# Altium PCB Powerbank.PcbDoc (part 1 of 2) (continued)
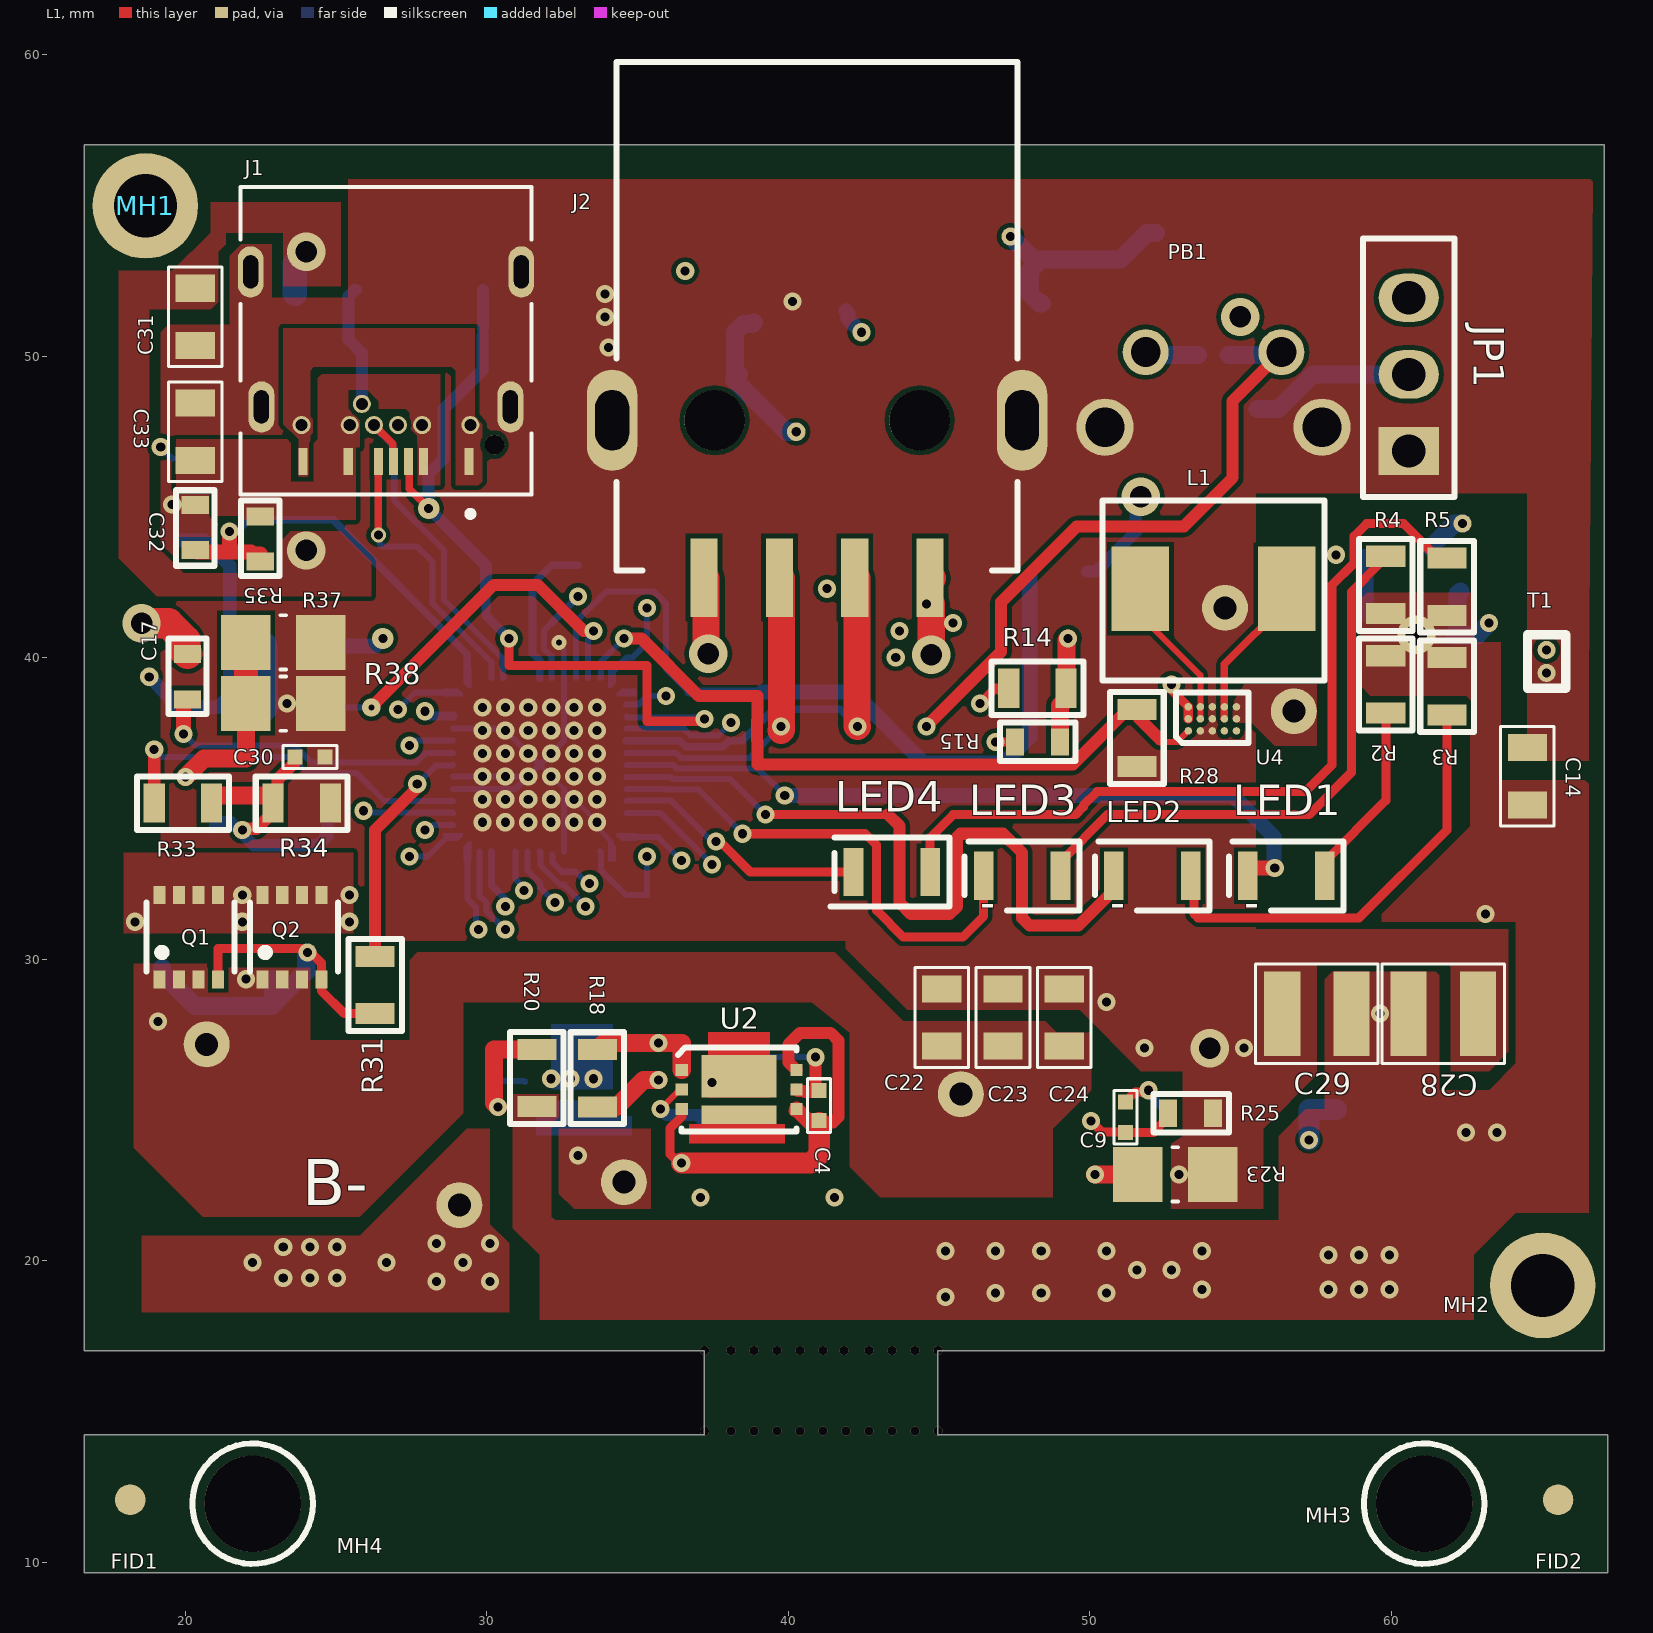
[diagram p0: L1 view]
## Part data (continued)
D1: library part "3pins schottkey common cathode", "Diode Schottky 30V 0.2A 3-Pin SOT-23 T/R", Average Rectified Current=200mA, Case/Package=SOT-23-3, Manufacturer 1="ON Semiconductor", Manufacturer Part Number 1=SBAT54CLT1G, Max Forward Surge Current (Ifsm)=600mA, Max Operating Temperature=125°C, Max Power Dissipation=225mW, Max Repetitive Reverse Voltage (Vrrm)=30V, Max Reverse Leakage Current=2uA, Min Operating Temperature=-55°C, Package Quantity=3000, Supplier Part Number 1=SBAT54CLT1GOSCT-ND, ComponentLink1Description=https://datasheet.ciiva.com/908/bat54clt1-d-908339.pdf?src-supplier=Digi-Key, ComponentLink1URL=https://datasheet.ciiva.com/908/bat54clt1-d-908339.pdf?src-supplier=Digi-Key, ComponentLink2Description=https://datasheet.ciiva.com/8292/bat54clt1-d-8292853.pdf?src-supplier=Avnet, ComponentLink2URL=https://datasheet.ciiva.com/8292/bat54clt1-d-8292853.pdf?src-supplier=Avnet, Element Configuration="Common Cathode", Forward Current=200mA, Halogen Free="Halogen Free", Lead Free="Lead Free", Max Reverse Voltage (DC)=30V, Number of Pins=3, Packaging="Tape and Reel", Peak Non-Repetitive Surge Current=600mA, Pricing 1="1=0.36000, 10=0.29600, 25=0.24760, 100=0.12100, 500=0.10092, 1000=0.07013 (USD)", Radiation Hardening=No, Recovery Time=5ns, Reverse Recovery Time=5ns, RoHS=Yes, Stock 1=24603, Supplier 1=Digi-Key
D2 D3: library part MM5Z5V1T1G, "ON SEMICONDUCTOR - MM5Z5V1T1G - Zener Single Diode, General Purpose, 5.1 V, 500 mW, SOD-523, 2, 150 C RoHS Compliant: Yes", Case/Package=SOD-523-2, Forward Voltage=900mV, Manufacturer 1="ON Semiconductor", Max Operating Temperature=150°C, Max Power Dissipation=200mW, Max Reverse Leakage Current=2uA, Min Operating Temperature=-65°C, Package Quantity=3000, Power Rating=100mW, Supplier Part Number 1=MM5Z5V1T1GOSCT-ND, Test Current=5mA, Tolerance=6%, Voltage Rating (DC)=5.1V, Zener Current=10mA, ComponentLink1Description=https://datasheet.ciiva.com/15142/getdatasheetpartid-53273-15142116.pdf?src-supplier=Verical, ComponentLink1URL=https://datasheet.ciiva.com/15142/getdatasheetpartid-53273-15142116.pdf?src-supplier=Verical, ComponentLink2Description=https://datasheet.ciiva.com/30478/0900766b81276ad7-30478633.pdf?src-supplier=RSComponents, ComponentLink2URL=https://datasheet.ciiva.com/30478/0900766b81276ad7-30478633.pdf?src-supplier=RSComponents, ComponentLink3Description=https://datasheet.ciiva.com/900/mm5z2v4t1-d-900082.pdf?src-supplier=Digi-Key, ComponentLink3URL=https://datasheet.ciiva.com/900/mm5z2v4t1-d-900082.pdf?src-supplier=Digi-Key, ComponentLink4Description=https://datasheet.ciiva.com/900/mm5z2v4t1-d-900083.pdf?src-supplier=Digi-Key, ComponentLink4URL=https://datasheet.ciiva.com/900/mm5z2v4t1-d-900083.pdf?src-supplier=Digi-Key, ComponentLink5Description=https://datasheet.ciiva.com/900/mm5z2v4t1-d-900084.pdf?src-supplier=Digi-Key, ComponentLink5URL=https://datasheet.ciiva.com/900/mm5z2v4t1-d-900084.pdf?src-supplier=Digi-Key, ComponentLink6Description=https://datasheet.ciiva.com/8347/mm5z2v4t1-d-8347925.pdf?src-supplier=Avnet, ComponentLink6URL=https://datasheet.ciiva.com/8347/mm5z2v4t1-d-8347925.pdf?src-supplier=Avnet, ComponentLink7Description=https://datasheet.ciiva.com/8347/mm5z2v4t1-d-8347930.pdf?src-supplier=Avnet, ComponentLink7URL=https://datasheet.ciiva.com/8347/mm5z2v4t1-d-8347930.pdf?src-supplier=Avnet, ComponentLink8Description=https://datasheet.ciiva.com/26092/mm5z2v4t1-d-26092203.pdf?src-supplier=Avnet+Europe, ComponentLink8URL=https://datasheet.ciiva.com/26092/mm5z2v4t1-d-26092203.pdf?src-supplier=Avnet+Europe, Element Configuration=Single, Height=0.7mm, Impedance=60R, Lead Free="Lead Free", Length=1.3mm, Manufacturer Part Number 1=MM5Z5V1T1G, Material=Plastic, Number of Pins=2, Packaging="Tape and Reel", Peak Reverse Current=2uA, Power Dissipation=200mW, Pricing 1="1=0.21000, 10=0.14400, 100=0.07680, 500=0.04400, 1000=0.03680 (USD)", Radiation Hardening=No, REACH SVHC="No SVHC", RoHS=Yes, Stock 1=14960, Supplier 1=Digi-Key, Voltage Tolerance=6%, Width=0.9mm, Working Voltage=5.1V, Zener Voltage=5.1V
D4: "DIODE SCHOTTKY 30V 200MA SOD323", Average Rectified Current=200mA, Capacitance=10pF, Case/Package=SOT-23-3, Forward Voltage=800mV, Manufacturer 1="ON Semiconductor / Fairchild", Manufacturer 2="ON Semiconductor", Manufacturer Part Number 2=SBAT54CLT1G, Max Forward Surge Current (Ifsm)=600mA, Max Operating Temperature=150°C, Max Power Dissipation=225mW, Max Repetitive Reverse Voltage (Vrrm)=30V, Max Reverse Leakage Current=2uA, Min Operating Temperature=-55°C, Package Quantity=3000, Power Dissipation=200mW, Supplier Part Number 1=BAT54HT1GOSCT-ND, ComponentLink1Description=https://datasheet.ciiva.com/4714/bat54ht1-d-72881-4714706.pdf?src-supplier=Mouser, ComponentLink1URL=https://datasheet.ciiva.com/4714/bat54ht1-d-72881-4714706.pdf?src-supplier=Mouser, ComponentLink2Description=https://datasheet.ciiva.com/30479/0900766b811a63a9-30479442.pdf?src-supplier=RSComponents, ComponentLink2URL=https://datasheet.ciiva.com/30479/0900766b811a63a9-30479442.pdf?src-supplier=RSComponents, ComponentLink3Description=https://datasheet.ciiva.com/34301/806549-34301562.pdf?src-supplier=Jameco, ComponentLink3URL=https://datasheet.ciiva.com/34301/806549-34301562.pdf?src-supplier=Jameco, ComponentLink4Description=https://datasheet.ciiva.com/1240/1747983-1240762.pdf?src-supplier=Newark, ComponentLink4URL=https://datasheet.ciiva.com/1240/1747983-1240762.pdf?src-supplier=Newark, ComponentLink5Description=https://datasheet.ciiva.com/4452/bat54ht1g-104602-4452889.pdf?src-supplier=Mouser, ComponentLink5URL=https://datasheet.ciiva.com/4452/bat54ht1g-104602-4452889.pdf?src-supplier=Mouser, ComponentLink6Description=https://datasheet.ciiva.com/910/bat54ht1g-910497.pdf?src-supplier=Digi-Key, ComponentLink6URL=https://datasheet.ciiva.com/910/bat54ht1g-910497.pdf?src-supplier=Digi-Key, ComponentLink7Description=https://datasheet.ciiva.com/1180/bat54ht1-d-1180252.pdf?src-supplier=Element14, ComponentLink7URL=https://datasheet.ciiva.com/1180/bat54ht1-d-1180252.pdf?src-supplier=Element14, ComponentLink8Description=https://datasheet.ciiva.com/1180/bat54ht1-d-1180251.pdf?src-supplier=Element14, ComponentLink8URL=https://datasheet.ciiva.com/1180/bat54ht1-d-1180251.pdf?src-supplier=Element14, ComponentLink9Description=https://datasheet.ciiva.com/46429/1727620-46429206.pdf?src-supplier=Element14, ComponentLink9URL=https://datasheet.ciiva.com/46429/1727620-46429206.pdf?src-supplier=Element14, ComponentLink10Description=https://datasheet.ciiva.com/8294/bat54ht1-d-8294645.pdf?src-supplier=Avnet, ComponentLink10URL=https://datasheet.ciiva.com/8294/bat54ht1-d-8294645.pdf?src-supplier=Avnet, ComponentLink11Description=https://datasheet.ciiva.com/915/bat54ht1-d-915445.pdf?src-supplier=Digi-Key, ComponentLink11URL=https://datasheet.ciiva.com/915/bat54ht1-d-915445.pdf?src-supplier=Digi-Key, ComponentLink12Description=https://datasheet.ciiva.com/915/bat54ht1-d-915444.pdf?src-supplier=Digi-Key, ComponentLink12URL=https://datasheet.ciiva.com/915/bat54ht1-d-915444.pdf?src-supplier=Digi-Key, ComponentLink13Description=https://datasheet.ciiva.com/915/bat54ht1-d-915443.pdf?src-supplier=Digi-Key, ComponentLink13URL=https://datasheet.ciiva.com/915/bat54ht1-d-915443.pdf?src-supplier=Digi-Key, ComponentLink14Description=https://datasheet.ciiva.com/910/bat54ht1g-910499.pdf?src-supplier=Digi-Key, ComponentLink14URL=https://datasheet.ciiva.com/910/bat54ht1g-910499.pdf?src-supplier=Digi-Key, ComponentLink15Description=https://datasheet.ciiva.com/910/bat54ht1g-910498.pdf?src-supplier=Digi-Key, ComponentLink15URL=https://datasheet.ciiva.com/910/bat54ht1g-910498.pdf?src-supplier=Digi-Key, ComponentLink16Description=https://datasheet.ciiva.com/8303/bat54ht1g-8303645.pdf?src-supplier=Avnet, ComponentLink16URL=https://datasheet.ciiva.com/8303/bat54ht1g-8303645.pdf?src-supplier=Avnet, ComponentLink17Description=https://datasheet.ciiva.com/17020/bat54ht1g-17020445.pdf?src-supplier=Future+Electronics, ComponentLink17URL=https://datasheet.ciiva.com/17020/bat54ht1g-17020445.pdf?src-supplier=Future+Electronics, ComponentLink18Description=https://datasheet.ciiva.com/48686/001262925-da-01-en-diode-schottky-30v-bat54ht1g-sod-323-fsc-48686266.pdf?src-supplier=Conrad, ComponentLink18URL=https://datasheet.ciiva.com/48686/001262925-da-01-en-diode-schottky-30v-bat54ht1g-sod-323-fsc-48686266.pdf?src-supplier=Conrad, ComponentLink19Description=https://datasheet.ciiva.com/908/bat54clt1-d-908339.pdf?src-supplier=Digi-Key, ComponentLink19URL=https://datasheet.ciiva.com/908/bat54clt1-d-908339.pdf?src-supplier=Digi-Key, ComponentLink20Description=https://datasheet.ciiva.com/8292/bat54clt1-d-8292853.pdf?src-supplier=Avnet, ComponentLink20URL=https://datasheet.ciiva.com/8292/bat54clt1-d-8292853.pdf?src-supplier=Avnet, Contact Plating=Tin,Matte, Current Rating=200mA, Element Configuration=Single, Forward Current=200mA, Halogen Free="Halogen Free", Height=1mm, Lead Free="Lead Free", Length=1.8mm, Manufacturer Part Number 1=BAT54HT1G, Max Reverse Voltage (DC)=30V, Max Surge Current=600mA, Mount="Surface Mount", Number of Pins=2, Output Current=200mA, Packaging="Tape and Reel", Peak Non-Repetitive Surge Current=600mA, Peak Reverse Current=2uA, Polarity=Standard, Pricing 1="1=0.20000, 10=0.18700, 100=0.10160, 500=0.06252, 1000=0.04263 (USD)", Pricing 2="1=0.36000, 10=0.29600, 25=0.24760, 100=0.12100, 500=0.10092, 1000=0.07013 (USD)", Radiation Hardening=No, REACH SVHC="No SVHC", Recovery Time=5ns, Reverse Recovery Time=5ns, Reverse Voltage=30V, RoHS=Yes, Stock 1=736672, Stock 2=24603, Supplier 1=Digi-Key, Supplier 2=Digi-Key, Supplier Part Number 2=SBAT54CLT1GOSCT-ND, Voltage Rating (DC)=30V, Width=1.35mm
J1: "Conn USB 3.1 Type C RCP 24 POS 0.5mm Solder RA SMF 24 Terminal 1 Port T/R"
J2: "Socket, angled USB 3.0 A   9 P, 692122030100, Würth Elektronik", Color=Blue, Current Rating=1.8A, Flammability Rating="UL94 V-0", Insulation Resistance=100MR, Manufacturer 1="Wurth Electronics", Manufacturer Part Number 1=692122030100, Max Operating Temperature=85°C, Min Operating Temperature=-20°C, Package Quantity=1, Supplier Part Number 1=732-3150-1-ND, Voltage Rating=30V, ComponentLink1Description=https://datasheet.ciiva.com/851/692122030100-851250.pdf?src-supplier=Digi-Key, ComponentLink1URL=https://datasheet.ciiva.com/851/692122030100-851250.pdf?src-supplier=Digi-Key, ComponentLink2Description=https://datasheet.ciiva.com/1099/1699423-1099081.pdf?src-supplier=Element14, ComponentLink2URL=https://datasheet.ciiva.com/1099/1699423-1099081.pdf?src-supplier=Element14, ComponentLink3Description=https://datasheet.ciiva.com/11731/0900766b81023ac1-11731277.pdf?src-supplier=RSComponents, ComponentLink3URL=https://datasheet.ciiva.com/11731/0900766b81023ac1-11731277.pdf?src-supplier=RSComponents, ComponentLink4Description=https://datasheet.ciiva.com/6743/1020404-6743662.pdf?src-supplier=Newark, ComponentLink4URL=https://datasheet.ciiva.com/6743/1020404-6743662.pdf?src-supplier=Newark, ComponentLink5Description=https://datasheet.ciiva.com/851/692122030100-851251.pdf?src-supplier=Digi-Key, ComponentLink5URL=https://datasheet.ciiva.com/851/692122030100-851251.pdf?src-supplier=Digi-Key, ComponentLink6Description=https://datasheet.ciiva.com/851/692122030100-851252.pdf?src-supplier=Digi-Key, ComponentLink6URL=https://datasheet.ciiva.com/851/692122030100-851252.pdf?src-supplier=Digi-Key, Connector Type=USB,Receptacle,Socket, Contact Material="Bronze,Copper Alloy", Contact Plating=Gold, Features=Shielded, Gender=Receptacle, Lead Free="Lead Free", Length=15.1mm, Mount="Surface Mount,Horizontal,Through Hole", Number of Contacts=9, Number of Ports=1, Orientation="Right Angle", Packaging="Tape and Reel", Pricing 1="1=3.17000, 10=2.79600, 50=2.63400, 100=2.36500 (USD)", REACH SVHC=Unknown, RoHS=Yes, Stock 1=2724, Supplier 1=Digi-Key, Termination=SMD/SMT, USB Standard="USB 3.0", Voltage Rating (AC)=30V, Width=16.66mm
JP1: library part 68000-103HLF, "CONN HEADER VERT 3POS 2.54MM", Color=Black, Current Rating=3A, Flammability Rating="UL94 V-0", Insulation Resistance=5GR, Manufacturer 1="Amphenol FCI", Max Operating Temperature=125°C, Max Voltage Rating (AC)=1.5kV, Min Operating Temperature=-65°C, Package Quantity=100, Supplier Part Number 1=609-3461-ND, ComponentLink1Description=https://datasheet.ciiva.com/5157/68000-274283-5157301.pdf?src-supplier=Mouser, ComponentLink1URL=https://datasheet.ciiva.com/5157/68000-274283-5157301.pdf?src-supplier=Mouser, ComponentLink2Description=https://datasheet.ciiva.com/46392/1914865-46392021.pdf?src-supplier=Element14, ComponentLink2URL=https://datasheet.ciiva.com/46392/1914865-46392021.pdf?src-supplier=Element14, ComponentLink3Description=https://datasheet.ciiva.com/10149/68000-10149754.pdf?src-supplier=Avnet, ComponentLink3URL=https://datasheet.ciiva.com/10149/68000-10149754.pdf?src-supplier=Avnet, Connector Type="Male Pin", Contact Gender=Male, Contact Material=Bronze, Contact Mating Length=0.23inch, Contact Plating=Gold,GXT, Contact Post Length=2.41mm, Depth=2.41mm, Gender=Male, Housing Color=Black, Housing Material=Thermoplastic, Length=7.62mm, Manufacturer Part Number 1=68000-103HLF, Mount="Through Hole", Number of Contacts=3, Number of Positions=3, Number of Rows=1, Orientation=Straight, Packaging=Bulk, Pitch=2.54mm, Pricing 1="1=0.29000, 10=0.27900, 100=0.19500, 500=0.16716, 1000=0.13930, 5000=0.11940, 10000=0.11144 (USD)", Radiation Hardening=No, REACH SVHC="No SVHC", RoHS=Yes, Stock 1=32442, Supplier 1=Digi-Key, Termination=Solder, Voltage Rating=1.5kV
L1: library part "470nH ind", Manufacturer 1=KEMET, Manufacturer Part Number 1=MPX1D0520LR47, Supplier Part Number 1=399-20628-1-ND, Pricing 1="1=1.72000, 10=1.59000, 25=1.45760, 50=1.24560, 100=1.11300, 250=0.95400, 500=0.90100, 1000=0.82150 (USD)", RoHS=No, Stock 1=890, Supplier 1=Digi-Key
L2 L4: library part BLM21PG300SN1D, "Ferrite Beads Multi-Layer 30Ohm 100MHz 4A 14mOhm DCR 0805 T/R", Case/Package=0805, Case Code (Metric)=2012, Current Rating=4A, DC Current=3A, DC Resistance (DCR)=14mR, Frequency=100MHz, Manufacturer 1=Murata, Max Operating Temperature=125°C, Min Operating Temperature=-55°C, Package Quantity=1, Resistance=15mR, Supplier Part Number 1=490-1052-1-ND, Tolerance=25%, Case Code (Imperial)=0805, ComponentLink1Description=https://datasheet.ciiva.com/11795/0900766b80021a8e-11795584.pdf?src-supplier=RSComponents, ComponentLink1URL=https://datasheet.ciiva.com/11795/0900766b80021a8e-11795584.pdf?src-supplier=RSComponents, ComponentLink2Description=https://datasheet.ciiva.com/19460/1845339-19460237.pdf?src-supplier=Jameco, ComponentLink2URL=https://datasheet.ciiva.com/19460/1845339-19460237.pdf?src-supplier=Jameco, ComponentLink3Description=https://datasheet.ciiva.com/6212/l0110s0100blm21p-6212358.pdf?src-supplier=Digi-Key, ComponentLink3URL=https://datasheet.ciiva.com/6212/l0110s0100blm21p-6212358.pdf?src-supplier=Digi-Key, ComponentLink4Description=https://datasheet.ciiva.com/25903/l0110s0100blm21p-25903510.pdf?src-supplier=Avnet+Europe, ComponentLink4URL=https://datasheet.ciiva.com/25903/l0110s0100blm21p-25903510.pdf?src-supplier=Avnet+Europe, ComponentLink5Description=https://datasheet.ciiva.com/6212/l0110s0100blm21p-6212360.pdf?src-supplier=Digi-Key, ComponentLink5URL=https://datasheet.ciiva.com/6212/l0110s0100blm21p-6212360.pdf?src-supplier=Digi-Key, ComponentLink6Description=https://datasheet.ciiva.com/3081/l0110s0100blm21p-3081657.pdf?src-supplier=Avnet, ComponentLink6URL=https://datasheet.ciiva.com/3081/l0110s0100blm21p-3081657.pdf?src-supplier=Avnet, ComponentLink7Description=https://datasheet.ciiva.com/16199/l0110s0100blm21p-16199625.pdf?src-supplier=Future+Electronics, ComponentLink7URL=https://datasheet.ciiva.com/16199/l0110s0100blm21p-16199625.pdf?src-supplier=Future+Electronics, ComponentLink8Description=https://datasheet.ciiva.com/3081/l0110s0100blm21p-3081658.pdf?src-supplier=Avnet, ComponentLink8URL=https://datasheet.ciiva.com/3081/l0110s0100blm21p-3081658.pdf?src-supplier=Avnet, ComponentLink9Description=https://datasheet.ciiva.com/8021/1756152-8021599.pdf?src-supplier=Element14, ComponentLink9URL=https://datasheet.ciiva.com/8021/1756152-8021599.pdf?src-supplier=Element14, ComponentLink10Description=https://datasheet.ciiva.com/41449/001172365-da-01-en-drossel-0805-30r0-2-0x1-25mm-4000st-41449606.pdf?src-supplier=Conrad, ComponentLink10URL=https://datasheet.ciiva.com/41449/001172365-da-01-en-drossel-0805-30r0-2-0x1-25mm-4000st-41449606.pdf?src-supplier=Conrad, Core Material=Ferrite, Depth=1.25mm, Height=0.85mm, Impedance=30R, Lead Free="Lead Free", Length=2mm, Manufacturer Part Number 1=BLM21PG300SN1D, Material=Steel,Ferrite, Max Current Rating=4A, Max DC Current=3A, Military Standard=Not, Number of Circuits=1, Number of Lines=1, Number of Pins=2, Packaging="Tape and Reel", Pricing 1="1=0.11000, 10=0.09300, 25=0.07240, 50=0.06000, 100=0.05170, 250=0.04136, 500=0.03722, 1000=0.03102 (USD)", Radiation Hardening=No, REACH SVHC="No SVHC", RoHS=Yes, Shielding=Unshielded, Stock 1=58891, Supplier 1=Digi-Key, Termination=SMD/SMT, Test Frequency=100MHz, Width=1.25mm
L3: library part CDRH127/LDNP-4R6NC, "FIXED IND 4.6UH 9.1A 13.8 MOHM", Case/Package=Nonstandard, Current Rating=9.1A, DC Resistance (DCR)=13.8mR, Inductance=4.6uH, Manufacturer 1=Sumida, Max Operating Temperature=100°C, Min Operating Temperature=-40°C, Package Quantity=500, Supplier Part Number 1=851-CDRH127LDNP4R6NC, Test Frequency=100kHz, Tolerance=30%, ComponentLink1Description=https://media.digikey.com/pdf/Data%20Sheets/Sumida%20PDFs/CDRH127LDNP.pdf?src-supplier=Digi-Key, ComponentLink1URL=https://media.digikey.com/pdf/Data%20Sheets/Sumida%20PDFs/CDRH127LDNP.pdf?src-supplier=Digi-Key, ComponentLink2Description=http://www.mouser.com/ds/2/390/CDRH127LD-523497.pdf?src-supplier=Mouser, ComponentLink2URL=http://www.mouser.com/ds/2/390/CDRH127LD-523497.pdf?src-supplier=Mouser, ComponentLink3Description=http://www.sumida.com/products/pdf/CDRH127,127LD.pdf?src-supplier=Avnet, ComponentLink3URL=http://www.sumida.com/products/pdf/CDRH127,127LD.pdf?src-supplier=Avnet, Core Material=Ferrite, Depth=12.3mm, Height=8mm, Height - Seated (Max)=0.315inch, Lead Free="Lead Free", Length=0.472inch, Manufacturer Part Number 1=CDRH127/LDNP-4R6NC, Max DC Current=9.1A, Mount="Surface Mount", Packaging="Tape and Reel", Pricing 1="1=1.52000, 10=1.14000, 100=1.08000, 500=0.87400, 1000=0.60800, 2500=0.57000 (USD)", Radiation Hardening=No, RoHS=Yes, Shielding=Shielded, Stock 1=232, Supplier 1=Mouser, Termination=SMD/SMT, Width=0.472inch
LED1 LED2 LED3: library part SMLLX1206ICTR, "LED RED CLEAR 1206 SMD", Case/Package=1206, Case Code (Metric)=3216, Color=Red, Current Rating=25mA, Forward Current=20mA, Forward Voltage=2V, Lens Color=Colorless,Clear, Manufacturer 1=Lumex, Max Operating Temperature=85°C, Min Operating Temperature=-25°C, Package Quantity=3000, Power Rating=65mW, Supplier Part Number 1=80K7325, Approvals=UL,CSA, Case Code (Imperial)=1206, ComponentLink1Description=https://datasheet.ciiva.com/16199/sml-lx1206ic-tr-16199616.pdf?src-supplier=Future+Electronics, ComponentLink1URL=https://datasheet.ciiva.com/16199/sml-lx1206ic-tr-16199616.pdf?src-supplier=Future+Electronics, ComponentLink2Description=https://datasheet.ciiva.com/12400/sml-lx1206ic-tr-112319-12400827.pdf?src-supplier=Mouser, ComponentLink2URL=https://datasheet.ciiva.com/12400/sml-lx1206ic-tr-112319-12400827.pdf?src-supplier=Mouser, ComponentLink3Description=https://datasheet.ciiva.com/8072/195796-8072871.pdf?src-supplier=Element14, ComponentLink3URL=https://datasheet.ciiva.com/8072/195796-8072871.pdf?src-supplier=Element14, ComponentLink4Description=https://datasheet.ciiva.com/8073/195796-8073097.pdf?src-supplier=Element14, ComponentLink4URL=https://datasheet.ciiva.com/8073/195796-8073097.pdf?src-supplier=Element14, ComponentLink5Description=https://datasheet.ciiva.com/15967/sml-lx1206ic-tr-15967210.pdf?src-supplier=Onlinecomponents.com, ComponentLink5URL=https://datasheet.ciiva.com/15967/sml-lx1206ic-tr-15967210.pdf?src-supplier=Onlinecomponents.com, ComponentLink6Description=https://datasheet.ciiva.com/30187/sml-lx1206ic-tr-30187578.pdf?src-supplier=Onlinecomponents.com, ComponentLink6URL=https://datasheet.ciiva.com/30187/sml-lx1206ic-tr-30187578.pdf?src-supplier=Onlinecomponents.com, ComponentLink7Description=https://datasheet.ciiva.com/2110/sml-lx1206ic-tr-2110300.pdf?src-supplier=Digi-Key, ComponentLink7URL=https://datasheet.ciiva.com/2110/sml-lx1206ic-tr-2110300.pdf?src-supplier=Digi-Key, ComponentLink8Description=https://datasheet.ciiva.com/2110/sml-lx1206ic-tr-2110301.pdf?src-supplier=Digi-Key, ComponentLink8URL=https://datasheet.ciiva.com/2110/sml-lx1206ic-tr-2110301.pdf?src-supplier=Digi-Key, ComponentLink9Description=https://datasheet.ciiva.com/2110/sml-lx1206ic-tr-2110302.pdf?src-supplier=Digi-Key, ComponentLink9URL=https://datasheet.ciiva.com/2110/sml-lx1206ic-tr-2110302.pdf?src-supplier=Digi-Key, Dominant Wavelength=635nm, Height=1.1mm, Illumination Color=Red, Lead Free="Lead Free", Length=3.2mm, Lens Size=1.5mm, Lens Style=Flat,Clear,Rectangular,Diffused,Colorless, Lens Transparency=Clear, Luminous Intensity=6mcd, Manufacturer Part Number 1=SMLLX1206ICTR, Mount="Surface Mount", Number of LEDs=1, Number of Pins=2, Packaging="Tape and Reel", REACH SVHC="No SVHC", RoHS=Yes, Stock 1=0, Supplier 1=Newark, Test Current=20mA, Viewing Angle=160°, Voltage Rating=2V, Voltage Rating (DC)=2V, Wavelength=635nm, Width=1.6mm
LED4: library part LNJ311G83RA, "Led Green SMD", Case/Package=1206, Case Code (Metric)=3216, Color=Green, Forward Voltage=2.03V, Manufacturer 1="Panasonic SSG", Package Quantity=3000, Supplier Part Number 1=P11537CT-ND, Test Current=10mA, Case Code (Imperial)=1206, ComponentLink1Description=https://datasheet.ciiva.com/2122/lnj311g83ra-2122816.pdf?src-supplier=Digi-Key, ComponentLink1URL=https://datasheet.ciiva.com/2122/lnj311g83ra-2122816.pdf?src-supplier=Digi-Key, ComponentLink2Description=https://datasheet.ciiva.com/2122/lnj311g83ra-2122817.pdf?src-supplier=Digi-Key, ComponentLink2URL=https://datasheet.ciiva.com/2122/lnj311g83ra-2122817.pdf?src-supplier=Digi-Key, ComponentLink3Description=https://datasheet.ciiva.com/2122/lnj311g83ra-2122818.pdf?src-supplier=Digi-Key, ComponentLink3URL=https://datasheet.ciiva.com/2122/lnj311g83ra-2122818.pdf?src-supplier=Digi-Key, Height=1.1mm, Lead Free="Lead Free", Length=3.2mm, Lens Style=Diffused, Luminous Intensity=12mcd, Manufacturer Part Number 1=LNJ311G83RA, Mount="Surface Mount", Packaging="Tape and Reel", Pricing 1="1=0.56000, 10=0.40000, 100=0.26130, 500=0.18780, 1000=0.14697 (USD)", RoHS=Yes, Stock 1=2890, Supplier 1=Digi-Key, Wavelength=575nm, Width=1.6mm
PB1: "TE CONNECTIVITY - FSMRA4JH04 - SWITCH, TACT, SPST", Contact Current Rating=50mA, Manufacturer 1="TE Connectivity", Max Operating Temperature=85°C, Min Operating Temperature=-35°C, Operating Force=1.6N, Package Quantity=1000, Supplier Part Number 1=506-FSMRA4JH04, Voltage Rating=24V, Actuator Length=5.74mm, ComponentLink1Description=https://datasheet.ciiva.com/5809/606398-5809313.pdf?src-supplier=Farnell, ComponentLink1URL=https://datasheet.ciiva.com/5809/606398-5809313.pdf?src-supplier=Farnell, ComponentLink2Description=https://datasheet.ciiva.com/7635/606398-7635446.pdf?src-supplier=Element14, ComponentLink2URL=https://datasheet.ciiva.com/7635/606398-7635446.pdf?src-supplier=Element14, Contact Material="Copper Alloy", Current Rating=50mA, Illumination Type=Illuminated, Length=7.11mm, Manufacturer Part Number 1=FSMRA4JH04, Mechanical Life=100000Cycles, Mount="Through Hole,PCB", Packaging=Bulk, Pricing 1="1=0.25000, 10=0.25000, 25=0.23300, 100=0.22000, 250=0.20700, 500=0.19000 (USD)", REACH SVHC=Unknown, RoHS=Yes, Stock 1=20272, Supplier 1=Mouser, Termination=Solder, Throw Configuration=SPST, Voltage Rating (DC)=24V, Width=7.01mm
Q1 Q2 Q3 Q6: library part ECH8310-TL-H, "Trans MOSFET P-CH 30V 9A 8-Pin ECH T/R", Continuous Drain Current (ID)=9A, Drain to Source Resistance=17mR, Drain to Source Voltage (Vdss)=30V, Gate to Source Voltage (Vgs)=20V, Input Capacitance=1.4nF, Manufacturer 1="ON Semiconductor", Max Operating Temperature=150°C, Max Power Dissipation=1.5W, Min Operating Temperature=-55°C, Package Quantity=3000, Supplier Part Number 1=ECH8310-TL-HOSCT-ND, ComponentLink1Description=https://datasheet.ciiva.com/13052/ech8310-d-72318-13052832.pdf?src-supplier=Mouser, ComponentLink1URL=https://datasheet.ciiva.com/13052/ech8310-d-72318-13052832.pdf?src-supplier=Mouser, ComponentLink2Description=https://datasheet.ciiva.com/30479/0900766b8127c97b-30479731.pdf?src-supplier=RSComponents, ComponentLink2URL=https://datasheet.ciiva.com/30479/0900766b8127c97b-30479731.pdf?src-supplier=RSComponents, ComponentLink3Description=https://datasheet.ciiva.com/6371/ech8310-d-6371820.pdf?src-supplier=Digi-Key, ComponentLink3URL=https://datasheet.ciiva.com/6371/ech8310-d-6371820.pdf?src-supplier=Digi-Key, ComponentLink4Description=https://datasheet.ciiva.com/11164/ech8310-d-11164927.pdf?src-supplier=Avnet, ComponentLink4URL=https://datasheet.ciiva.com/11164/ech8310-d-11164927.pdf?src-supplier=Avnet, Element Configuration=Single, Fall Time=87ns, Halogen Free="Halogen Free", Height=0.9mm, Lead Free="Lead Free", Length=2.9mm, Manufacturer Part Number 1=ECH8310-TL-H, Number of Pins=8, Packaging="Tape and Reel", Pricing 1="1=0.68000, 10=0.59400, 25=0.55800, 100=0.40500, 500=0.33840, 1000=0.28800 (USD)", Radiation Hardening=No, Rds On Max=17mR, Rise Time=45ns, RoHS=Yes, Stock 1=2258, Supplier 1=Digi-Key, Turn-Off Delay Time=134ns, Turn-On Delay Time=10ns, Width=2.3mm
Q4 Q5: library part NTTFS4H05NTAG, "Single N-Channel Power MOSFET 25V, 94A, 3.3mO", Continuous Drain Current (ID)=94A, Drain to Source Voltage (Vdss)=25V, Input Capacitance=1.205nF, Manufacturer 1="ON Semiconductor", Max Power Dissipation=2.66W, Package Quantity=1500, Supplier Part Number 1=863-NTTFS4H05NTAG, ComponentLink1Description=http://www.mouser.com/ds/2/308/NTTFS4H05N-D-463776.pdf?src-supplier=Mouser, ComponentLink1URL=http://www.mouser.com/ds/2/308/NTTFS4H05N-D-463776.pdf?src-supplier=Mouser, ComponentLink2Description=http://www.onsemi.com/pub/Collateral/NTTFS4H05N-D.PDF?src-supplier=Digi-Key, ComponentLink2URL=http://www.onsemi.com/pub/Collateral/NTTFS4H05N-D.PDF?src-supplier=Digi-Key, ComponentLink3Description=http://www.onsemi.com/pub/Collateral/NTTFS4H05N-D.PDF?src-supplier=Avnet, ComponentLink3URL=http://www.onsemi.com/pub/Collateral/NTTFS4H05N-D.PDF?src-supplier=Avnet, Lead Free="Lead Free", Manufacturer Part Number 1=NTTFS4H05NTAG, Mount="Surface Mount", Number of Pins=8, Packaging="Tape and Reel", Pricing 1="1=1.39000, 10=1.18000, 100=0.89600, 250=0.87000, 500=0.75200, 1000=0.62000 (USD)", Rds On Max=3.3mR, RoHS=Yes, Stock 1=792, Supplier 1=Mouser
R1 R6 R30 R34: library part RC0805FR-07100KL, "RES SMD 100K OHM 1% 1/8W 0805", Case/Package=0805, Case Code (Metric)=2012, Manufacturer 1=Yageo, Max Operating Temperature=155°C, Max Power Dissipation=125mW, Min Operating Temperature=-55°C, Package Quantity=1, Resistance=100kR, Supplier Part Number 1=311-100KCRCT-ND, Temperature Coefficient=100ppm/°C, Tolerance=1%, Voltage Rating=150V, Case Code (Imperial)=0805, ComponentLink1Description=https://datasheet.ciiva.com/11808/0900766b8106beab-11808858.pdf?src-supplier=RSComponents, ComponentLink1URL=https://datasheet.ciiva.com/11808/0900766b8106beab-11808858.pdf?src-supplier=RSComponents, ComponentLink2Description=https://datasheet.ciiva.com/2457/pyu-r-int-thick-7-2457017.pdf?src-supplier=Digi-Key, ComponentLink2URL=https://datasheet.ciiva.com/2457/pyu-r-int-thick-7-2457017.pdf?src-supplier=Digi-Key, ComponentLink3Description=https://datasheet.ciiva.com/12667/rc0805-12667001.pdf?src-supplier=Mouser, ComponentLink3URL=https://datasheet.ciiva.com/12667/rc0805-12667001.pdf?src-supplier=Mouser, ComponentLink4Description=https://datasheet.ciiva.com/2457/pyu-r-int-thick-7-2457018.pdf?src-supplier=Digi-Key, ComponentLink4URL=https://datasheet.ciiva.com/2457/pyu-r-int-thick-7-2457018.pdf?src-supplier=Digi-Key, ComponentLink5Description=https://datasheet.ciiva.com/16747/rc0805-16747226.pdf?src-supplier=Future+Electronics, ComponentLink5URL=https://datasheet.ciiva.com/16747/rc0805-16747226.pdf?src-supplier=Future+Electronics, ComponentLink6Description=https://datasheet.ciiva.com/2457/pyu-r-int-thick-7-2457019.pdf?src-supplier=Digi-Key, ComponentLink6URL=https://datasheet.ciiva.com/2457/pyu-r-int-thick-7-2457019.pdf?src-supplier=Digi-Key, ComponentLink7Description=https://datasheet.ciiva.com/7660/38627-7660796.pdf?src-supplier=Element14, ComponentLink7URL=https://datasheet.ciiva.com/7660/38627-7660796.pdf?src-supplier=Element14, ComponentLink8Description=https://datasheet.ciiva.com/7941/1697719-7941676.pdf?src-supplier=Element14, ComponentLink8URL=https://datasheet.ciiva.com/7941/1697719-7941676.pdf?src-supplier=Element14, ComponentLink9Description=https://datasheet.ciiva.com/7941/1686128-7941677.pdf?src-supplier=Element14, ComponentLink9URL=https://datasheet.ciiva.com/7941/1686128-7941677.pdf?src-supplier=Element14, ComponentLink10Description=https://datasheet.ciiva.com/7941/1697719-7941678.pdf?src-supplier=Element14, ComponentLink10URL=https://datasheet.ciiva.com/7941/1697719-7941678.pdf?src-supplier=Element14, ComponentLink11Description=https://datasheet.ciiva.com/22747/444164-22747534.pdf?src-supplier=Element14, ComponentLink11URL=https://datasheet.ciiva.com/22747/444164-22747534.pdf?src-supplier=Element14, Composition="Thick Film", Depth=1.25mm, Features="Moisture Resistant", Height=0.024inch, Lead Free="Lead Free", Lead Pitch=0.4mm, Length=2mm, Manufacturer Part Number 1=RC0805FR-07100KL, Military Standard=Not, Number of Pins=2, Number of Terminations=2, Packaging="Tape and Reel", Power Rating=125mW, Pricing 1="1=0.10000, 10=0.04000, 100=0.01610, 1000=0.00723, 2500=0.00628 (USD)", REACH SVHC=Unknown, RoHS=Yes, Stock 1=7970099, Supplier 1=Digi-Key, Termination=SMD/SMT, Voltage Rating (DC)=150V, Width=0.049inch
R2 R3 R4 R5: library part RC0805JR-07330RL, "YAGEO   RC0805JR-07330RL   THICK FILM RESISTOR, 330 OHM, 125mW, 5%, FULL REEL", Case/Package=0805, Case Code (Metric)=2012, Manufacturer 1=Yageo, Max Operating Temperature=155°C, Min Operating Temperature=-55°C, Package Quantity=5000, Power Rating=125mW, Resistance=330R, Supplier Part Number 1=311-330ARCT-ND, Temperature Coefficient=100ppm/°C, Tolerance=5%, Voltage Rating=150V, Case Code (Imperial)=0805, ComponentLink1Description=https://datasheet.ciiva.com/17008/rc0805-17008395.pdf?src-supplier=Future+Electronics, ComponentLink1URL=https://datasheet.ciiva.com/17008/rc0805-17008395.pdf?src-supplier=Future+Electronics, ComponentLink2Description=https://datasheet.ciiva.com/46395/444164-46395119.pdf?src-supplier=Element14, ComponentLink2URL=https://datasheet.ciiva.com/46395/444164-46395119.pdf?src-supplier=Element14, ComponentLink3Description=https://datasheet.ciiva.com/7941/442941-7941941.pdf?src-supplier=Element14, ComponentLink3URL=https://datasheet.ciiva.com/7941/442941-7941941.pdf?src-supplier=Element14, ComponentLink4Description=https://datasheet.ciiva.com/7941/442941-7941942.pdf?src-supplier=Element14, ComponentLink4URL=https://datasheet.ciiva.com/7941/442941-7941942.pdf?src-supplier=Element14, ComponentLink5Description=https://datasheet.ciiva.com/12555/rc0805-257173-12555078.pdf?src-supplier=Mouser, ComponentLink5URL=https://datasheet.ciiva.com/12555/rc0805-257173-12555078.pdf?src-supplier=Mouser, Composition="Thick Film", Contact Plating=Tin,Matte,Lead, Depth=1.25mm, Height=0.5mm, Lead Free="Lead Free", Length=2mm, Manufacturer Part Number 1=RC0805JR-07330RL, Military Standard=Not, Packaging="Tape and Reel", Pricing 1="1=0.10000, 10=0.03300, 100=0.01350, 1000=0.00607, 2500=0.00527 (USD)", Radiation Hardening=No, REACH SVHC="No SVHC", RoHS=Yes, Stock 1=1367649, Supplier 1=Digi-Key, Termination=SMD/SMT, Width=1.25mm
R7 R8 R9 R28: library part CRCW080551K0JNEA, "RES, THICK FILM, 51K, 5%, 0.125W, 0805, REEL; Product Range:AEC-Q200 CRCW Series; Resistance:51kohm; Power Rating:125mW; Resistance Tolerance: 5%; Voltage Rating:150V; Resistor Case Style:0805 [2012 Metric]; Packaging:Tape & Reel ;RoHS Compliant: Yes", Case/Package=0805, Case Code (Metric)=2012, Manufacturer 1="Vishay Dale", Max Operating Temperature=155°C, Max Power Dissipation=125mW, Min Operating Temperature=-55°C, Package Quantity=1, Resistance=51kR, Supplier Part Number 1=541-51KACT-ND, Temperature Coefficient=200ppm/°C, Tolerance=5%, Voltage Rating=150V, Case Code (Imperial)=0805, ComponentLink1Description=https://datasheet.ciiva.com/9002/dcrcwe3-9002680.pdf?src-supplier=Avnet, ComponentLink1URL=https://datasheet.ciiva.com/9002/dcrcwe3-9002680.pdf?src-supplier=Avnet, ComponentLink2Description=https://datasheet.ciiva.com/2464/dcrcwe3-2464858.pdf?src-supplier=Digi-Key, ComponentLink2URL=https://datasheet.ciiva.com/2464/dcrcwe3-2464858.pdf?src-supplier=Digi-Key, ComponentLink3Description=https://datasheet.ciiva.com/2464/dcrcwe3-2464859.pdf?src-supplier=Digi-Key, ComponentLink3URL=https://datasheet.ciiva.com/2464/dcrcwe3-2464859.pdf?src-supplier=Digi-Key, ComponentLink4Description=https://datasheet.ciiva.com/2464/dcrcwe3-2464860.pdf?src-supplier=Digi-Key, ComponentLink4URL=https://datasheet.ciiva.com/2464/dcrcwe3-2464860.pdf?src-supplier=Digi-Key, Composition="Thick Film", Contact Plating=Tin, Depth=1.25mm, Features="Automotive AEC-Q200", Height=0.02inch, Lead Free="Lead Free", Length=2mm, Manufacturer Part Number 1=CRCW080551K0JNEA, Military Standard=Not, Number of Pins=2, Number of Terminations=2, Packaging="Tape and Reel", Power Rating=125mW, Pricing 1="1=0.10000, 10=0.03800, 100=0.01560, 1000=0.00702, 2500=0.00610 (USD)", Radiation Hardening=No, REACH SVHC=Unknown, RoHS=Yes, Stock 1=39035, Supplier 1=Digi-Key, Termination=SMD/SMT, Voltage Rating (DC)=150V, Weight=0.000194oz, Width=1.25mm, Working Voltage=150V
R10 R15 R16 R17 R21 R25 R35: library part ESR03EZPJ101, "ROHM - ESR03EZPJ101 - SMD Chip Resistor, Anti-Surge, 0603 [1608 Metric], 100 ohm, ESR Series, 150 V, Thick Film, 250 mW - SMD Chip Resistor, Anti-Surge, 0603 [1608 Metric], 100 ohm, ESR Series, 150 V, Thick Film, 250 mW", Case/Package=0603, Manufacturer 1=Rohm, Power Rating=200mW, Resistance=100R, Supplier Part Number 1=RHM100DCT-ND, Temperature Coefficient=200ppm/°C, Tolerance=5%, ComponentLink1Description=https://datasheet.ciiva.com/16218/esr-16218543.pdf?src-supplier=Future+Electronics, ComponentLink1URL=https://datasheet.ciiva.com/16218/esr-16218543.pdf?src-supplier=Future+Electronics, Lead Free="Lead Free", Manufacturer Part Number 1=ESR03EZPJ101, Pricing 1="1=0.10000, 10=0.07600, 100=0.02920, 1000=0.01283, 2500=0.01108 (USD)", RoHS=Yes, Stock 1=68293, Supplier 1=Digi-Key
R11 R18: library part RC0805FR-071KL, "RES SMD 1K OHM 1% 1/8W 0805", Case/Package=0805, Case Code (Metric)=2012, Manufacturer 1=Yageo, Max Operating Temperature=155°C, Max Power Dissipation=125mW, Min Operating Temperature=-55°C, Package Quantity=1, Resistance=1kR, Supplier Part Number 1=311-1.00KCRCT-ND, Temperature Coefficient=100ppm/°C, Tolerance=1%, Voltage Rating=150V, Case Code (Imperial)=0805, ComponentLink1Description=https://datasheet.ciiva.com/2456/pyu-r-int-thick-7-2456976.pdf?src-supplier=Digi-Key, ComponentLink1URL=https://datasheet.ciiva.com/2456/pyu-r-int-thick-7-2456976.pdf?src-supplier=Digi-Key, ComponentLink2Description=https://datasheet.ciiva.com/2456/pyu-r-int-thick-7-2456977.pdf?src-supplier=Digi-Key, ComponentLink2URL=https://datasheet.ciiva.com/2456/pyu-r-int-thick-7-2456977.pdf?src-supplier=Digi-Key, ComponentLink3Description=https://datasheet.ciiva.com/7941/1686128-7941719.pdf?src-supplier=Element14, ComponentLink3URL=https://datasheet.ciiva.com/7941/1686128-7941719.pdf?src-supplier=Element14, ComponentLink4Description=https://datasheet.ciiva.com/16850/rc0805-16850409.pdf?src-supplier=Future+Electronics, ComponentLink4URL=https://datasheet.ciiva.com/16850/rc0805-16850409.pdf?src-supplier=Future+Electronics, ComponentLink5Description=https://datasheet.ciiva.com/46385/444164-46385020.pdf?src-supplier=Element14, ComponentLink5URL=https://datasheet.ciiva.com/46385/444164-46385020.pdf?src-supplier=Element14, ComponentLink6Description=https://datasheet.ciiva.com/2456/pyu-r-int-thick-7-2456975.pdf?src-supplier=Digi-Key, ComponentLink6URL=https://datasheet.ciiva.com/2456/pyu-r-int-thick-7-2456975.pdf?src-supplier=Digi-Key, Composition="Thick Film", Depth=1.25mm, Features="Moisture Resistant", Height=0.024inch, Lead Free="Lead Free", Length=0.079inch, Manufacturer Part Number 1=RC0805FR-071KL, Military Standard=Not, Number of Pins=2, Number of Terminations=2, Packaging="Tape and Reel", Power Rating=125mW, Pricing 1="1=0.10000, 10=0.04200, 100=0.01700, 1000=0.00762, 2500=0.00662 (USD)", REACH SVHC=Unknown, RoHS=Yes, Stock 1=26611077, Supplier 1=Digi-Key, Termination=SMD/SMT, Voltage Rating (DC)=150V, Width=0.049inch